# Altium PCB PCB_v5.PcbDoc (part 7 of 7)
Units mil, origin at the board's own origin, x right, y up, seen from the top; angles counter-clockwise.
Board outline 6750 x 6000 mil, 6 copper layers (Top Layer, Int1 (GND), Int2 (Sign), Int3 (Sign), Int4 (PWR), Bottom Layer), stack 61.067 mil thick; 472 components, 583 nets, 2516 pads, 977 vias.
Unrouted connection lines stored in the file: 28.
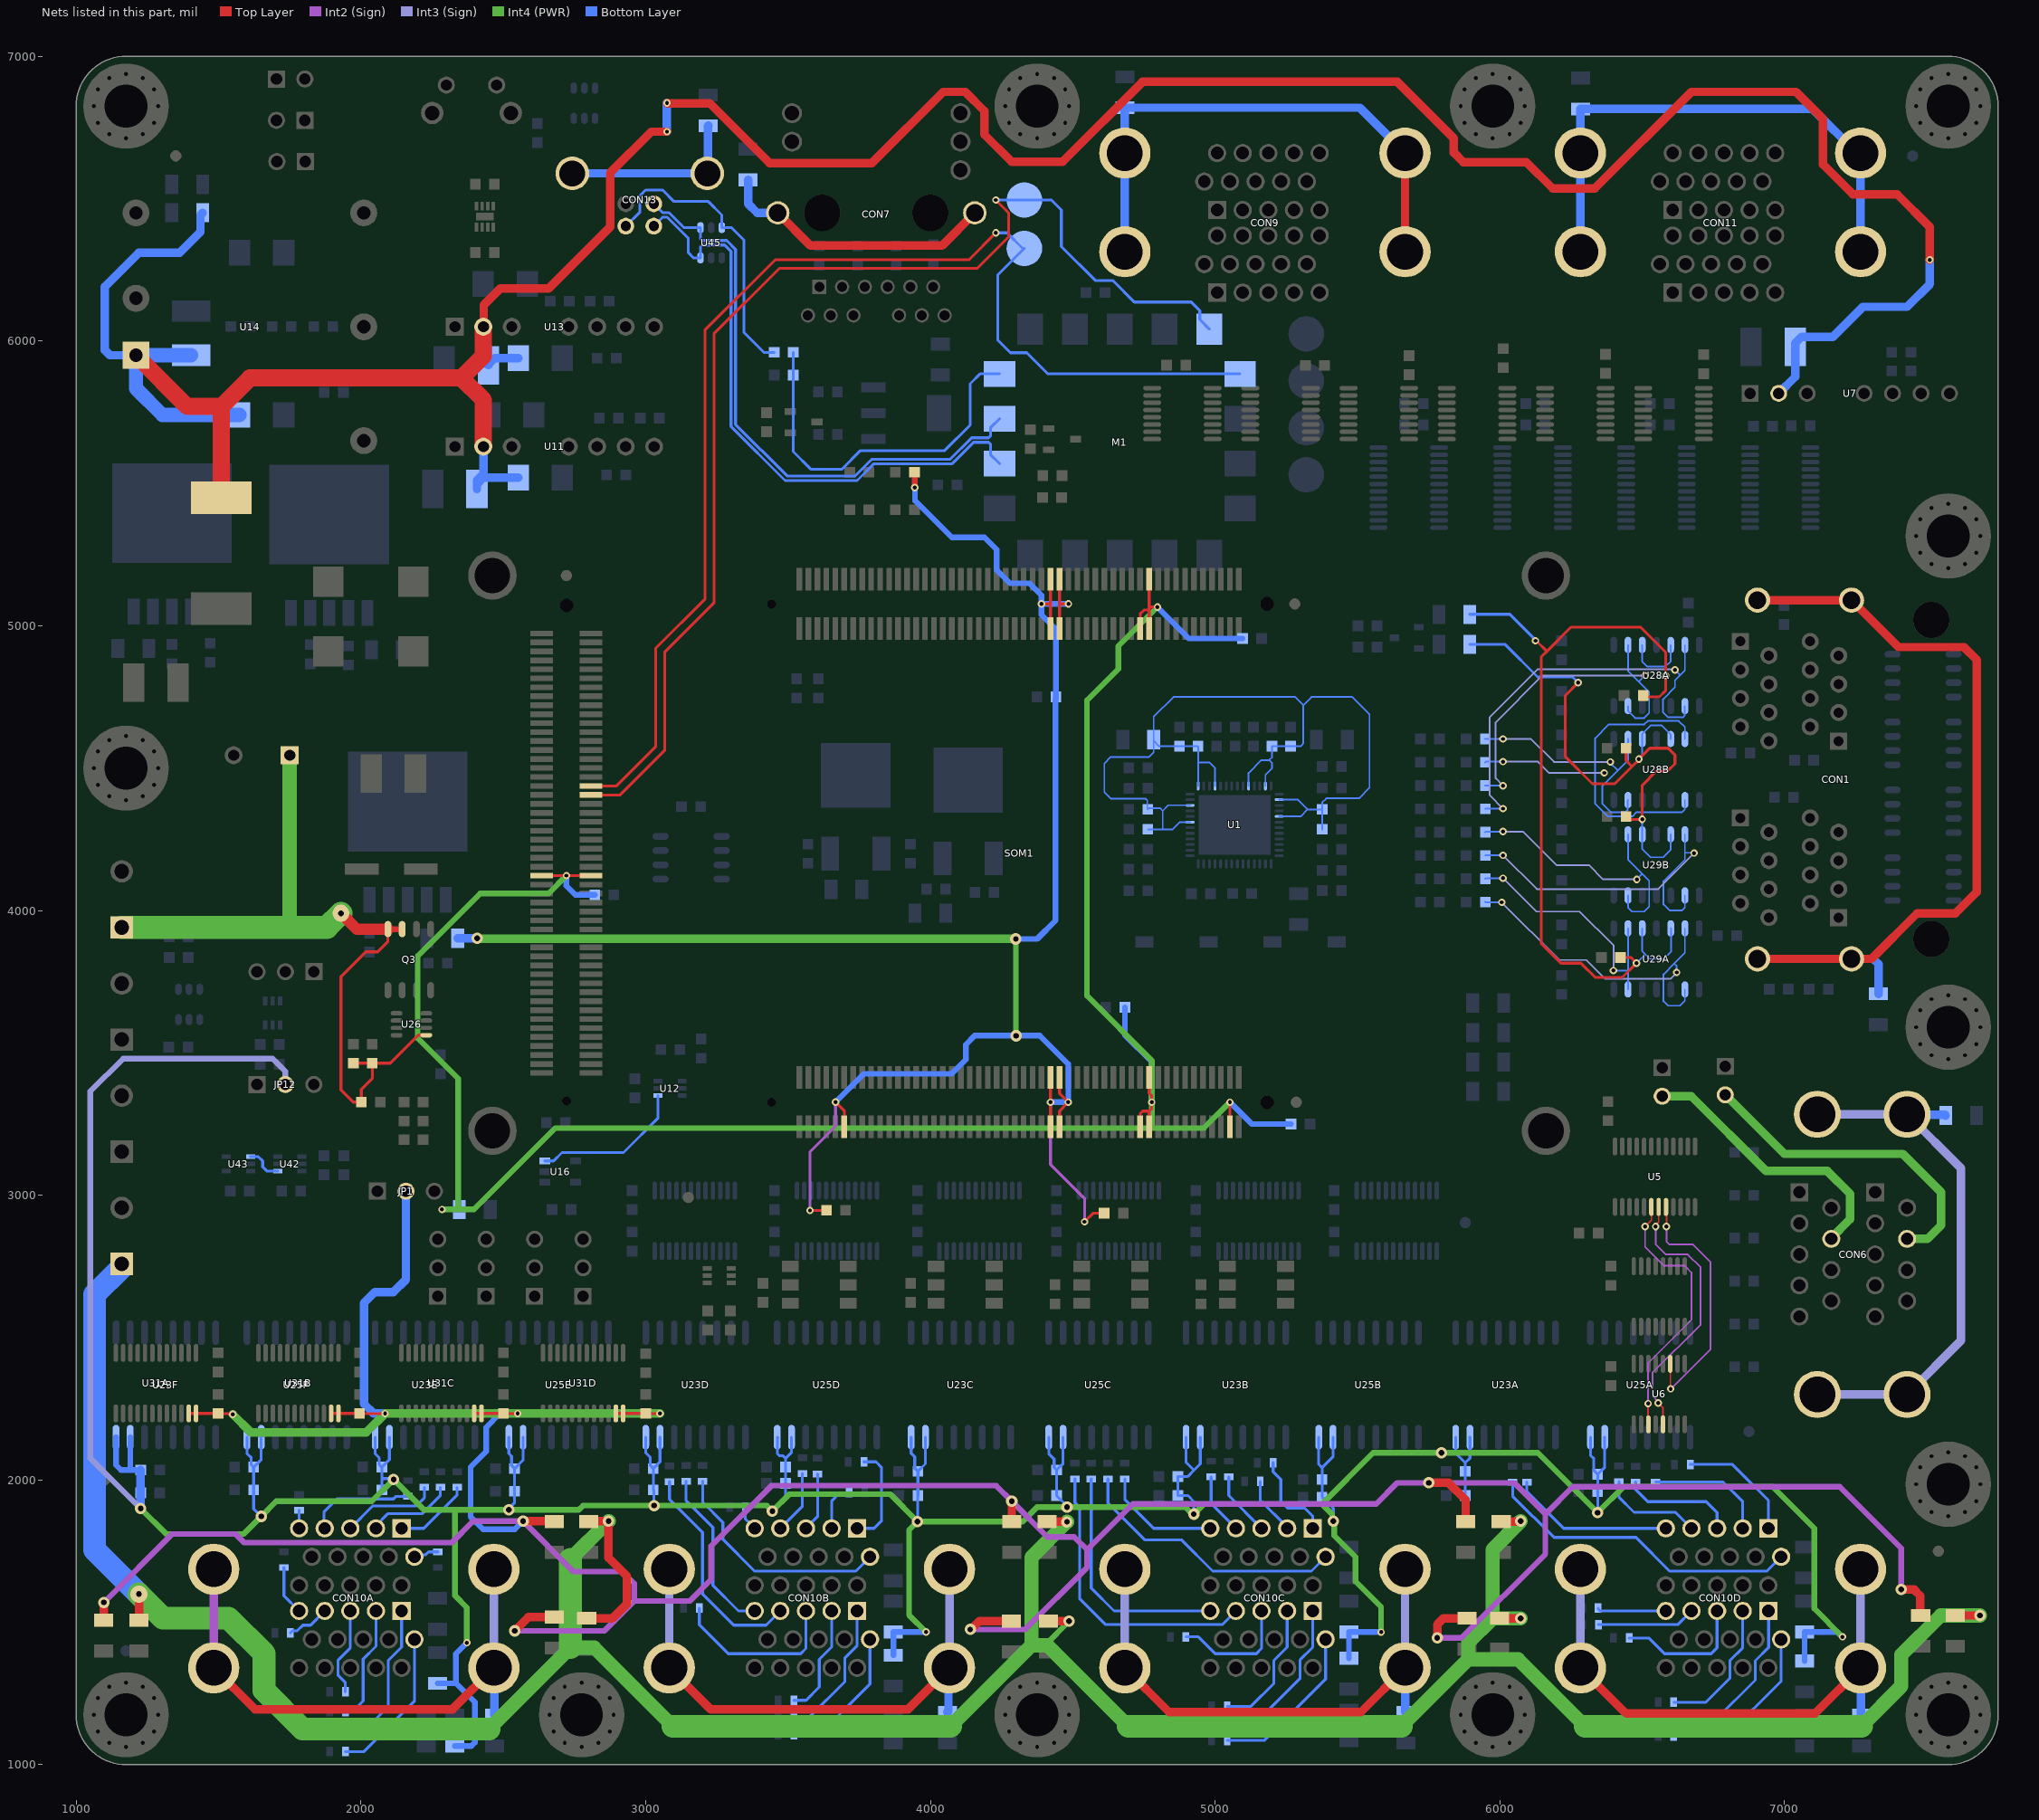
[diagram p11: the nets of this part, all layers, seen from the top]

## Via types
v1: diameter 26, hole 14, Top Layer to Bottom Layer, tented both sides, 910 vias
v2: diameter 40, hole 20, Top Layer to Bottom Layer, tented both sides, 53 vias
v3: diameter 60, hole 20, Top Layer to Bottom Layer, tented both sides, 6 vias
v4: diameter 30, hole 16, Top Layer to Bottom Layer, tented both sides, 5 vias
v5: diameter 60, hole 30, Top Layer to Bottom Layer, tented both sides, 2 vias
v6: diameter 80, hole 40, Top Layer to Bottom Layer, tented both sides, 1 vias

## Nets (pads, with @x,y where several pads share a name; then routed paths per layer and width w, separated by ;. In a path a pad name is that pad's centre, name@x,y a point inside that pad or via, vN(x,y) a via of type N, cw(c..) or ccw(c..) an arc to the next point about the centre after c; other vN are vias at no path point) (continued)
OUT2A: U5.6 U6.3 | length 946.5
  Top Layer w6: v1(6510,2890) 6532.2,2912.2 U5.6@6532.2,2958.7 ; v1(6520.85,2268.13) 6520.85,2196.04 U6.3@6521.59,2195.29
  Int2 (Sign) w6: v1(6510,2890) 6510,2818.13 6576.08,2752.05 6649.54,2752.05 6673,2728.59 6673,2563 6520.85,2410.85 v1(6520.85,2268.13)
OUT2B: U5.7 U6.5 | length 963.7
  Top Layer w6: v1(6547.18,2890) 6547.18,2894.87 6557.8,2905.48 U5.7@6557.8,2958.7 ; v1(6556.37,2270.33) 6572.77,2253.93 U6.5@6572.77,2195.29
  Int2 (Sign) w6: v1(6547.18,2890) 6547.18,2827.72 6582.77,2792.13 6660.16,2792.13 6705,2747.28 6705,2545.87 6536,2376.87 6536,2296.03 6556.37,2275.66 v1(6556.37,2270.33)
OUT2Z: U5.8 U6.11 | length 898.3
  Top Layer w6: U5.8@6583.39,2958.7 6585,2957.09 v1(6585,2890) ; U6.11@6598.36,2407.89 6599.18,2407.07 6599.18,2320.82 v1(6600,2320)
  Int2 (Sign) w6: v1(6585,2890) 6585,2837.72 6595,2827.72 6677.28,2827.72 6740,2765 6740,2460 v1(6600,2320)
PS_DRIVE_EN: U42.4 U43.1 | length 128.3
  Bottom Layer w10: U43.1@1612.32,3135.59 1612.91,3135 1640,3135 1655,3120 1655,3100 1670.59,3084.41 U42.4@1707.68,3084.41
PWM_OUT_A1A: CON10A.1A RT1A.2 | length 270.8
  Bottom Layer w10: CON10A.1A@2143,1830 2221.09,1830 2338.19,1947.1 RT1A.2@2338.19,1974.19
PWM_OUT_A1B: CON10B.1A RT1B.2 | length 353.5
  Bottom Layer w10: CON10B.1A@3743,1830 3802.65,1830 3827.82,1855.17 3827.82,2045 3809.28,2063.54 RT1B.2@3767.06,2063.54
PWM_OUT_A1C: CON10C.1A RT1C.2 | length 324.1
  Bottom Layer w10: RT1C.2@5203.56,2060.73 5203.56,2028.85 5230.63,2001.78 5230.63,1924.25 5254.22,1900.66 5315.02,1900.66 5343,1872.68 CON10C.1A@5343,1830
PWM_OUT_A1D: CON10D.1A RT1D.2 | length 424.9
  Bottom Layer w10: RT1D.2@6668.56,2054.37 6816.86,2054.37 6943,1928.23 CON10D.1A@6943,1830
PWM_OUT_A2A: CON10A.2A RT3A.2 | length 308.5
  Bottom Layer w10: CON10A.2A@2053,1830 2053,1840.09 2094.05,1881.14 2214.49,1881.14 2279.32,1945.97 RT3A.2@2279.32,1974.19
PWM_OUT_A2B: CON10B.2A RT3B.2 | length 169.1
  Bottom Layer w10: CON10B.2A@3653,1830 3653,1925.69 3682.31,1955 RT3B.2@3714.29,1955
PWM_OUT_A2C: CON10C.2A RT3C.2 | length 204.1
  Bottom Layer w10: RT3C.2@5158.56,1995 5158.56,1928.69 5253,1834.25 CON10C.2A@5253,1830
PWM_OUT_A2D: CON10D.2A RT3D.2 | length 427.9
  Bottom Layer w10: RT3D.2@6547.18,1992.44 6784.12,1992.44 6853,1923.56 CON10D.2A@6853,1830
PWM_OUT_A3A: CON10A.3A RT5A.2 | length 341.2
  Bottom Layer w10: CON10A.3A@1963,1830 2042,1909 2194.67,1909 2222.68,1937.02 RT5A.2@2222.68,1974.19
PWM_OUT_A3B: CON10B.3A RT5B.2 | length 208.1
  Bottom Layer w10: CON10B.3A@3563,1830 3603.96,1870.96 RT5B.2@3603.96,2021.14
PWM_OUT_A3C: CON10C.3A RT5C.2 | length 228.5
  Bottom Layer w10: RT5C.2@5047.98,2010.83 5047.98,1945.02 CON10C.3A@5163,1830
PWM_OUT_A3D: CON10D.3A RT5D.2 | length 401.7
  Bottom Layer w10: RT5D.2@6476.53,1992.44 6476.53,1966.18 6519.15,1923.56 6725.01,1923.56 6763,1885.57 CON10D.3A@6763,1830
PWM_OUT_A4A: CON10A.4A RT7A.2 | length 376.6
  Bottom Layer w10: CON10A.4A@1873,1830 1869.86,1833.14 1869.86,1886.66 1916.49,1933.29 2114.74,1933.29 2123.9,1942.44 RT7A.2@2165.37,1942.44
PWM_OUT_A4B: CON10B.4A RT7B.2 | length 224.5
  Bottom Layer w10: CON10B.4A@3473,1830 3550.5,1907.5 RT7B.2@3550.5,2022.37
PWM_OUT_A4C: CON10C.4A RT7C.2 | length 216.8
  Bottom Layer w10: RT7C.2@4986.06,2010.83 4986.06,1916.94 CON10C.4A@5073,1830
PWM_OUT_A4D: CON10D.4A RT7D.2 | length 354.9
  Bottom Layer w10: RT7D.2@6418.18,1994.17 6418.18,1939.37 6470.98,1886.57 6616.43,1886.57 CON10D.4A@6673,1830
PWM_OUT_A5A: CON10A.5A RT9A.2 | length 63.9
  Bottom Layer w10: CON10A.5A@1783,1830 RT9A.2@1783,1893.92
PWM_OUT_A5B: CON10B.5A RT9B.2 | length 88.4
  Bottom Layer w10: RT9B.2@3350,1904.68 3350,1863.47 3383,1830.47 CON10B.5A@3383,1830
PWM_OUT_A5C: CON10C.5A RT9C.2 | length 414.1
  Bottom Layer w10: RT9C.2@4682.98,2003.31 4682.98,1931.18 4784.16,1830 CON10C.5A@4983,1830
PWM_OUT_A5D: CON10D.5A RT9D.2 | length 576
  Bottom Layer w10: RT9D.2@6095,1992.44 6095,1959.25 6224.25,1830 CON10D.5A@6583,1830 CON10D.5A@6582.1,1830.9
PWM_OUT_A6A: CON10A.6A RT11A.2 | length 89.3
  Bottom Layer w10: CON10A.6A@2188,1730 2195.23,1737.23 2227.23,1737.23 2237.56,1747.56 RT11A.2@2270,1747.56
PWM_OUT_A6B: CON10B.6A RT11B.2 | length 817.1
  Bottom Layer w10: RT11B.2@3200.46,1995.44 3200.46,1921.86 3271.15,1851.16 3271.15,1791.3 3382.46,1680 3738,1680 CON10B.6A@3788,1730
PWM_OUT_A6C: CON10C.6A RT11C.2 | length 968.2
  Bottom Layer w10: RT11C.2@4623.92,2003.31 4623.92,1918.9 4752.82,1790 4881.68,1790 4991.68,1680 5338,1680 CON10C.6A@5388,1730
PWM_OUT_A6D: CON10D.6A RT11D.2 | length 1121.9
  Bottom Layer w10: RT11D.2@6045,1992.44 6045,1943.37 6190.37,1798 6478.37,1798 6596.37,1680 6938,1680 CON10D.6A@6988,1730
PWM_OUT_B1A: CON10A.1B RT2A.2 | length 542.2
  Bottom Layer w10: RT2A.2@1945.56,1115.94 2007.59,1115.94 2096,1204.35 2096,1366 2143,1413 CON10A.1B@2143,1540
PWM_OUT_B1B: CON10B.1B RT2B.2 | length 497.6
  Bottom Layer w10: RT2B.2@3520.36,1165.94 3573.76,1165.94 3700,1292.18 3700,1375.71 3743,1418.71 CON10B.1B@3743,1540
PWM_OUT_B1C: CON10C.1B RT2C.2 | length 576.8
  Bottom Layer w10: RT2C.2@5042.56,1145 5140.41,1145 5297.91,1302.5 5297.91,1367.28 5343,1412.37 CON10C.1B@5343,1540
PWM_OUT_B1D: CON10D.1B RT2D.2 | length 605.9
  Bottom Layer w10: RT2D.2@6610.74,1160 6760,1160 6897,1297 6897,1365 6944,1412 6944,1539 CON10D.1B@6943,1540
PWM_OUT_B2A: CON10A.2B RT4A.2 | length 413
  Bottom Layer w10: RT4A.2@1945.56,1185.94 1949.61,1190 1974.32,1190 2008,1223.68 2008,1370.86 2053,1415.86 CON10A.2B@2053,1540
PWM_OUT_B2B: CON10B.2B RT4B.2 | length 394.1
  Bottom Layer w10: RT4B.2@3520.36,1225.94 3563.17,1225.94 3610,1272.78 3610,1370 3653,1413 CON10B.2B@3653,1540
PWM_OUT_B2C: CON10C.2B RT4C.2 | length 471.2
  Bottom Layer w10: RT4C.2@5042.56,1205 5126.31,1205 5206,1284.68 5206,1365.63 5253,1412.63 CON10C.2B@5253,1540
PWM_OUT_B2D: CON10D.2B RT4D.2 | length 487.4
  Bottom Layer w10: RT4D.2@6610.74,1219.06 6723.63,1219.06 6808,1303.43 6808,1366 6853,1411 CON10D.2B@6853,1540
PWM_OUT_B3A: CON10A.3B RT6A.2 | length 312.5
  Bottom Layer w10: RT6A.2@1945.56,1255.94 1945.56,1287.94 1920,1313.5 1920,1367.89 1963,1410.89 CON10A.3B@1963,1540
PWM_OUT_B3B: CON10B.3B RT6B.2 | length 614.4
  Bottom Layer w10: RT6B.2@3188.65,1550 3188.65,1491.35 3290,1390 3545,1390 3563,1408 CON10B.3B@3563,1540
PWM_OUT_B3C: CON10C.3B RT6C.2 | length 429.3
  Bottom Layer w10: RT6C.2@4897.56,1448.83 4941.17,1448.83 5000,1390 5145,1390 5163,1408 CON10C.3B@5163,1540
PWM_OUT_B3D: CON10D.3B RT6D.2 | length 469.5
  Bottom Layer w10: RT6D.2@6454.09,1445 6523.37,1445 6578.37,1390 6742.18,1390 6763,1410.82 CON10D.3B@6763,1540
PWM_OUT_B4A: CON10A.4B RT8A.2 | length 153.3
  Bottom Layer w10: RT8A.2@1752.56,1462.63 1752.56,1463.19 1759.37,1470 1776.76,1470 1776.76,1470.76 1796,1490 1823,1490 CON10A.4B@1873,1540
PWM_OUT_B4B: CON10B.4B RT8B.2 | length 781
  Bottom Layer w10: RT8B.2@3083.84,1993.58 3083.84,1932.02 3200,1815.86 3200,1600 3310,1490 3423,1490 CON10B.4B@3473,1540
PWM_OUT_B4C: CON10C.4B RT8C.2 | length 1033.3
  Bottom Layer w10: RT8C.2@4507.9,2003.31 4507.9,1920.62 4524.17,1904.36 4524.17,1583.3 4615.47,1492 5025,1492 CON10C.4B@5073,1540
PWM_OUT_B4D: CON10D.4B RT8D.2 | length 347.1
  Bottom Layer w10: RT8D.2@6345.74,1492 6625,1492 CON10D.4B@6673,1540
PWM_OUT_B5A: CON10A.5B RT10A.2 | length 174.4
  Bottom Layer w10: RT10A.2@1730,1692.44 1730,1593 CON10A.5B@1783,1540
PWM_OUT_B5B: CON10B.5B RT10B.2 | length 588.5
  Bottom Layer w10: RT10B.2@3142.11,1995.44 3142.11,1927.43 3236.28,1833.25 3236.28,1629.9 3326.18,1540 CON10B.5B@3383,1540
PWM_OUT_B5C: CON10C.5B RT10C.2 | length 834.4
  Bottom Layer w10: RT10C.2@4564.87,2003.31 4564.87,1620.26 4645.12,1540 CON10C.5B@4983,1540
PWM_OUT_B5D: CON10D.5B RT10D.2 | length 243.6
  Bottom Layer w10: RT10D.2@6345.43,1550 6345.43,1546.81 6352.24,1540 CON10D.5B@6583,1540
PWM_OUT_B6A: CON10A.6B RT12A.2 | length 532.8
  Bottom Layer w10: RT12A.2@1945.56,1045.94 2010.94,1045.94 2188,1223 CON10A.6B@2188,1440
PWM_OUT_B6B: CON10B.6B RT12B.2 | length 497.8
  Bottom Layer w10: RT12B.2@3520.36,1105.94 3610.69,1105.94 3788,1283.26 CON10B.6B@3788,1440
PWM_OUT_B6C: CON10C.6B RT12C.2 | length 573.9
  Bottom Layer w10: RT12C.2@5042.56,1085 5172,1085 5388,1301 CON10C.6B@5388,1440
PWM_OUT_B6D: CON10D.6B RT12D.2 | length 603.7
  Bottom Layer w10: RT12D.2@6610.74,1100.02 6794.23,1100.02 6988,1293.79 CON10D.6B@6988,1440
SH_AGND: CON1.SH1 CON1.SH2 CON1.SH3 CON1.SH4 R1.1 | length 2746.2
  Top Layer w30: CON1.SH1@6905,3830 CON1.SH2@7235,3830 7305,3830 7465,3990 7600,3990 7675,4065 7675,4880 7630,4925 7400,4925 CON1.SH4@7235,5090 CON1.SH3@6905,5090
  Bottom Layer w30: CON1.SH2@7235,3830 7311.73,3830 7330,3811.73 R1.1@7330,3707.4
SH_ENC: CON6.SH1 CON6.SH2 CON6.SH3 CON6.SH4 R9.2 | length 1909.2
  Int3 (Sign) w30: CON6.SH1@7115.04,2300 CON6.SH2@7430,2300 7620,2490 7620,3094.25 CON6.SH3@7430,3284.25 CON6.SH4@7115.04,3284.25
  Bottom Layer w30: CON6.SH3@7430,3284.25 7432.13,3282.13 7563.74,3282.13 R9.2@7565.87,3280
SH_ETH: CON7.18 CON7.19 R10.1 | length 988.4
  Top Layer w30: CON7.18@3464,6450 3579,6335 4041,6335 CON7.19@4156,6450
  Bottom Layer w30: R10.1@3360,6565.87 3360,6481.92 3391.92,6450 CON7.18@3464,6450
SH_GND_INV_1: CON10A.SH1 CON10A.SH2 CON10A.SH3 CON10A.SH4 R17A.1 | length 1964.1
  Top Layer w30: CON10A.SH2@1483,1340 1628,1195 2322,1195 CON10A.SH1@2467,1340
  Int2 (Sign) w30: CON10A.SH2@1483,1340 CON10A.SH3@1483,1686.46
  Int3 (Sign) w30: CON10A.SH1@2467,1340 CON10A.SH4@2467,1686.46
  Bottom Layer w30: CON10A.SH1@2467,1340 2468.5,1338.5 2468.5,1175.63 R17A.1@2470,1174.13
SH_GND_INV_2: CON10B.SH1 CON10B.SH2 CON10B.SH3 CON10B.SH4 R17B.1 | length 1955.8
  Top Layer w30: CON10B.SH2@3083,1340 3228,1195 3922,1195 CON10B.SH1@4067,1340
  Int3 (Sign) w30: CON10B.SH2@3083,1340 CON10B.SH3@3083,1686.46 ; CON10B.SH1@4067,1340 CON10B.SH4@4067,1686.46
  Bottom Layer w30: R17B.1@4060,1184.13 4063.5,1187.63 4063.5,1336.5 CON10B.SH1@4067,1340
SH_GND_INV_3: CON10C.SH1 CON10C.SH2 CON10C.SH3 CON10C.SH4 R17C.1 | length 1962.4
  Top Layer w30: CON10C.SH2@4683,1340 4838,1185 5512,1185 CON10C.SH1@5667,1340
  Int3 (Sign) w30: CON10C.SH2@4683,1340 CON10C.SH3@4683,1686.46 ; CON10C.SH1@5667,1340 CON10C.SH4@5667,1686.46
  Bottom Layer w30: CON10C.SH1@5667,1340 5668.5,1338.5 5668.5,1185.63 R17C.1@5670,1184.13
SH_GND_INV_4: CON10D.SH1 CON10D.SH2 CON10D.SH3 CON10D.SH4 R17D.1 | length 2012.4
  Top Layer w30: CON10D.SH2@6283,1340 6443,1180 7107,1180 CON10D.SH1@7267,1340 ; CON10D.SH3@6283,1686.46 CON10D.SH3@6283,1722.32
  Int3 (Sign) w30: CON10D.SH2@6283,1340 CON10D.SH3@6283,1686.46 ; CON10D.SH1@7267,1340 CON10D.SH4@7267,1686.46
  Bottom Layer w30: CON10D.SH1@7267,1340 7268.5,1338.5 7268.5,1175.63 R17D.1@7270,1174.13
SH_GPIO12: CON9.SH1 CON9.SH2 CON9.SH3 CON9.SH4 R19.1 | length 1902.2
  Top Layer w30: CON9.SH3@5667,6313.54 CON9.SH2@5667,6660
  Bottom Layer w30: CON9.SH4@4683,6313.54 CON9.SH1@4683,6660 R19.1@4683,6819.31 5507.69,6819.31 CON9.SH2@5667,6660
SH_GPIO34: CON11.SH1 CON11.SH2 CON11.SH3 CON11.SH4 R20.1 | length 1896
  Bottom Layer w30: CON11.SH4@6283,6313.54 CON11.SH1@6283,6660 R20.1@6283,6814.92 7098.9,6814.92 7253.82,6660 CON11.SH2@7267,6660 CON11.SH3@7267,6313.54
SH_JTAG: CON13.SH R18.1 | length 642.5
  Bottom Layer w30: CON13.SH@2742.57,6588.79 CON13.SH@3216.59,6588.79 3218.29,6590.49 3218.29,6754.16 R18.1@3220,6755.87
USB_D_N: CON13.2 M1.16 U45.3 | length 2168.1
  Bottom Layer w10: CON13.2@3028.79,6403.35 3060.16,6434.72 3075.28,6434.72 3150,6360 3150,6310 3168.15,6291.85 U45.3@3192.6,6291.85 3192.6,6331.14 3198.46,6337 3278,6337 3300,6315 3300,5700 3490,5510 3742.63,5510 3801.63,5569 4076.63,5569 4151.63,5644 4205,5644 4210.86,5638.14 4210.86,5601.47 M1.16@4242.99,5569.33
USB_D_P: CON13.3 M1.17 U45.4 | length 2093.6
  Bottom Layer w10: CON13.3@3028.79,6482.09 3060.16,6450.72 3081.9,6450.72 3134.48,6398.15 U45.4@3192.6,6398.15 3192.6,6358.86 3198.46,6353 3284.63,6353 3316,6321.63 3316,5706.63 3496.63,5526 3736,5526 3795,5585 4070,5585 4145,5660 4205,5660 4210.86,5665.86 4210.86,5694.68 M1.17@4242.99,5726.81
USB_UART_RXD: M1.5 SOM1.JX3-64 TP10.1 | length 4213.5
  Top Layer w10: SOM1.JX3-64@2808.35,4405.84 2910.84,4405.84 3066.82,4561.82 3066.82,4906.82 3240,5080 3240,6025 3470,6255 4165,6255 4275,6365 4275,6450 v1(4230,6495)
  Bottom Layer w10: v1(4230,6495) TP10.1@4330,6495 4425,6495 4460,6460 4460,6331.54 4578.99,6212.54 4640.46,6212.54 4716.46,6136.54 4915.98,6136.54 4946.48,6106.03 4946.48,6075.49 M1.5@4980.2,6041.77
USB_UART_TXD: M1.6 SOM1.JX3-66 TP9.1 | length 4365.4
  Top Layer w10: SOM1.JX3-66@2808.35,4437.33 2897.33,4437.33 3035,4575 3035,4920 3208.18,5093.18 3208.18,6038.18 3455,6285 4135,6285 v1(4230,6380)
  Bottom Layer w10: v1(4230,6380) 4269.28,6380 4324.28,6325 TP9.1@4330,6325 4236.23,6231.23 4236.23,6004.01 4281.34,5958.9 4338.6,5958.9 4413.21,5884.29 M1.6@5087.48,5884.29
USB_VBUS: CON13.1 R98.1 U45.6 | length 1059.5
  Bottom Layer w10: CON13.1@2930.37,6403.35 2980,6452.99 2980,6510 3000,6530 3060,6530 3100,6490 3220,6490 3267.4,6442.6 U45.6@3267.4,6398.15 3301.85,6398.15 3345,6355 3345,6030 3415,5960 R98.1@3451.54,5960
V_AA: R60A.2 U28A.2 U28A.13 | length 1298.3
  Int3 (Sign) w6: v1(6011.23,4438.11) 5985,4464.35 5985,4660 6150,4825 v1(6509.83,4825)
  Bottom Layer w6: R60A.2@5948.79,4438.5 5949.18,4438.11 v1(6011.23,4438.11) ; U28A.13@6450,4717.72 6450,4700.98 6474.91,4676.07 6507.35,4676.07 6524.29,4693.01 6524.29,4766.85 6487.14,4804 ; U28A.2@6450,4932.28 6450,4841.14 6487.14,4804 ; v1(6509.83,4825) 6508.15,4825 6487.14,4804
V_AB: R60B.2 U28B.2 U28B.13 | length 917.5
  Int3 (Sign) w6: v1(6011.23,4602.28) 6109.31,4602.28 6189.98,4521.61 v1(6388.19,4521.61)
  Bottom Layer w6: R60B.2@5948.79,4601.99 5949.09,4602.28 v1(6011.23,4602.28) ; v1(6388.19,4521.61) 6388.19,4517.43 6414,4491.61 ; U28B.13@6450,4387.72 6449.28,4386.99 6449.28,4354.28 6440,4345 6390,4345 6360,4375 6360,4437.61 6414,4491.61 ; U28B.2@6450,4602.28 6450,4527.61 6414,4491.61
V_BA: R61A.2 U28A.6 U28A.9 | length 1539.4
  Int3 (Sign) w6: v1(6011.23,4357.48) 5964.35,4404.36 5964.35,4678.94 6132.42,4847 6613,4847 v1(6615,4845)
  Bottom Layer w6: R61A.2@5948.79,4356.75 5949.52,4357.48 v1(6011.23,4357.48) ; v1(6615,4845) 6632.5,4827.5 6632.5,4825.85 ; U28A.9@6650,4717.72 6649.04,4716.75 6649.04,4684.03 6643.18,4678.17 6590.55,4678.17 6573,4695.72 6573,4742.03 6615,4784.03 6615,4808.35 6632.5,4825.85 ; U28A.6@6650,4932.28 6650,4843.35 6632.5,4825.85
V_BB: R61B.2 U28B.6 U28B.9 | length 1464.2
  Int3 (Sign) w6: v1(6011.23,4522.61) 6133.73,4522.61 6173.23,4483.11 v1(6366.54,4483.11)
  Bottom Layer w6: R61B.2@5948.79,4520.24 5951.16,4522.61 v1(6011.23,4522.61) ; v1(6366.54,4483.11) 6366.45,4483.2 6335,4483.2 ; U28B.9@6650,4387.72 6650,4355 6640,4345 6480,4345 6465,4330 6380,4330 6335,4375 6335,4483.2 ; U28B.6@6650,4602.28 6650,4644.04 6628.4,4665.63 6519.54,4665.63 6507.22,4653.31 6383.22,4653.31 6335,4605.1 6335,4483.2
V_CA: R62A.2 U29A.2 U29A.13 | length 903.1
  Int3 (Sign) w6: v1(6011.23,4113.11) 6128.13,3996.21 6280,3996.21 6400,3876.21 6400,3789.95 v1(6399.05,3789)
  Bottom Layer w6: R62A.2@5948.79,4111.51 5950.4,4113.11 v1(6011.23,4113.11) ; v1(6399.05,3789) 6450,3789 ; U29A.13@6450,3722.72 6450,3789 ; U29A.2@6450,3937.28 6450,3789
V_CB: R62B.2 U29B.2 U29B.13 | length 1045
  Int3 (Sign) w6: v1(6011.23,4277.11) 6081.3,4277.11 6199.3,4159.11 6312.46,4159.11 6362.46,4109.11 v1(6481.02,4109.11)
  Bottom Layer w6: R62B.2@5948.79,4275 5950.91,4277.11 v1(6011.23,4277.11) ; U29B.13@6450,4052.72 6450,4010.06 6463.84,3996.21 6506.61,3996.21 6524.29,4013.89 6524.29,4104.71 6499.38,4129.61 ; U29B.2@6450,4267.28 6450,4179 6499.38,4129.61 ; v1(6481.02,4109.11) 6499.38,4127.47 6499.38,4129.61
V_DA: R63A.2 U29A.6 U29A.9 | length 1243.3
  Int3 (Sign) w6: v1(6006.67,4028.61) 6209.2,3826.08 6303.92,3826.08 6370,3760 6598.72,3760 v1(6620.91,3782.19)
  Bottom Layer w6: R63A.2@5948.79,4029.76 5949.94,4028.61 v1(6006.67,4028.61) ; v1(6620.91,3782.19) 6620.91,3804.8 6612.5,3813.21 ; U29A.9@6650,3722.72 6650,3682.6 6633.01,3665.61 6590.59,3665.61 6575,3681.2 6575,3775.71 6612.5,3813.21 ; U29A.6@6650,3937.28 6650,3850.71 6612.5,3813.21
V_DB: R63B.2 U29B.6 U29B.9 | length 1275.1
  Int3 (Sign) w6: v1(6011.23,4193.61) 6129.85,4075 6555.47,4075 v1(6682.08,4201.61)
  Bottom Layer w6: R63B.2@5948.79,4193.26 5949.15,4193.61 v1(6011.23,4193.61) ; U29B.9@6650,4052.72 6650,4009.9 6640.46,4000.36 6595.96,4000.36 6575,4021.32 6575,4103.03 6650,4178.03 6650,4202.84 ; U29B.6@6650,4267.28 6650,4202.84 ; v1(6682.08,4201.61) 6680.85,4202.84 6650,4202.84